# Altium PCB etna-pcb-main.PcbDoc (continued)
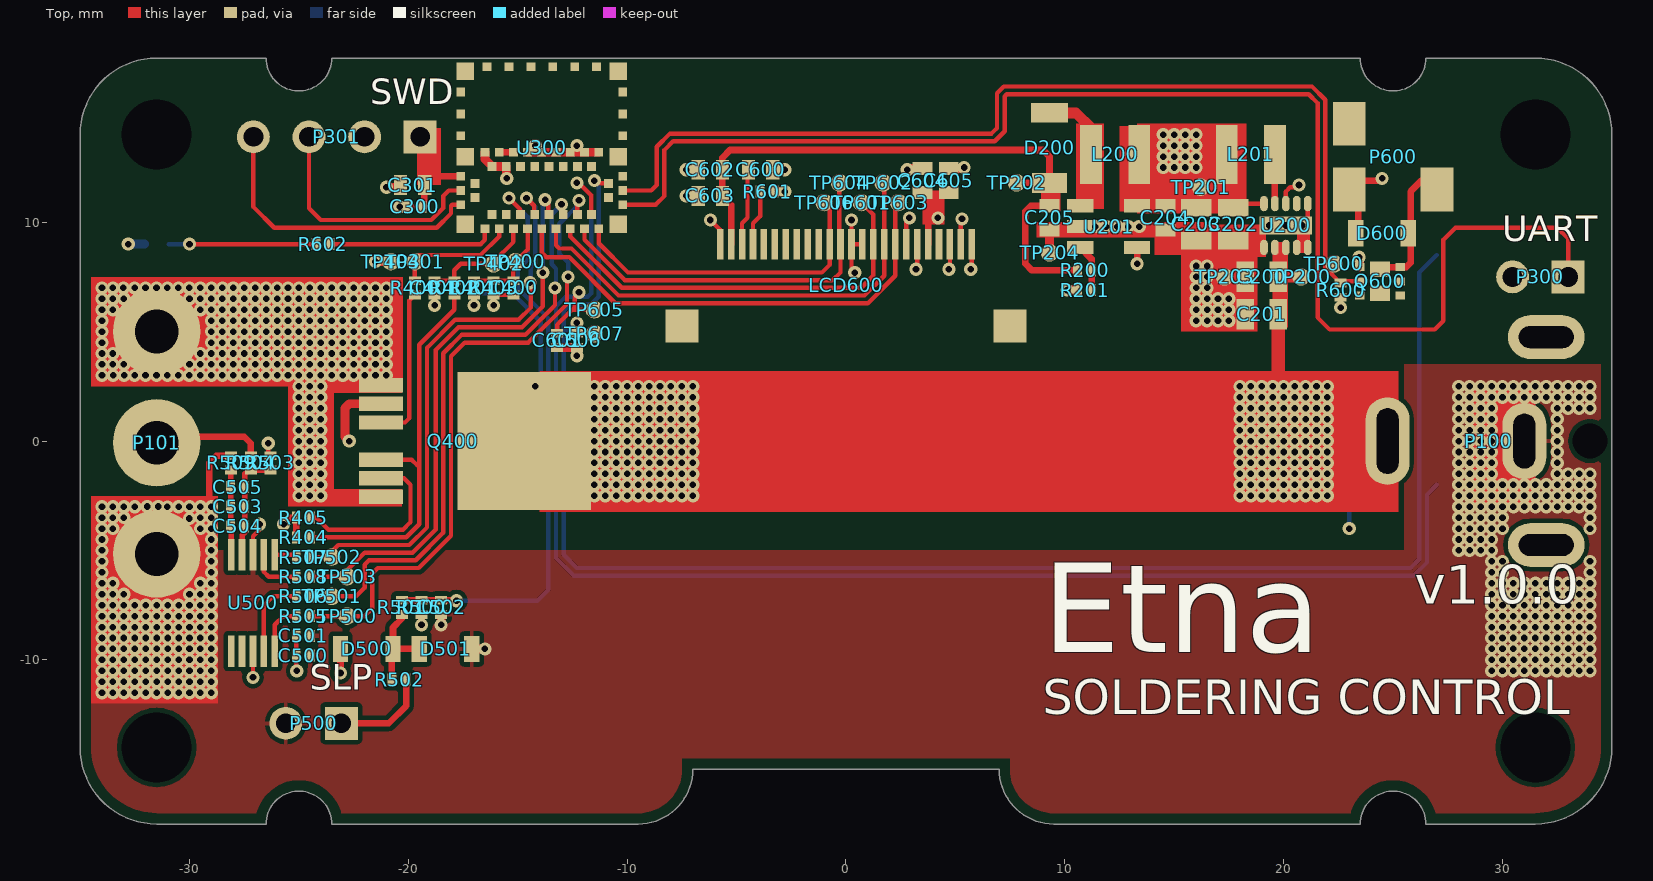
[diagram p0: Top view]
## Footprints (in the part's own frame and the unit in brackets; to place one, negate y for a bottom-side part, rotate by r counter-clockwise, add the part's x,y. Pads: shape width x height; smd on the part's side, far side on the other; paste and mask are expansions set on the pad) (continued)
  rect 0.4x0.4 smd paste-30 mask+0: 3(-3.05,2.275) 9(-2.275,0.85) 11(-1.625,0.85) 13(-0.975,0.85) 15(-0.325,0.85) 17(0.325,0.85) 19(0.975,0.85) 27(3.05,1.625) 29(3.05,2.275) 33(2.275,3.05) 35(1.625,3.05)
  body extent -4,-4 4,4, height 1
KSSG23J12 [mm] "4V Surface Mount Electromagnetic Buzzer, 75dB"
  rect 1.5x2 smd paste+0 mask+0: 1(-2,-1.5) 2(2,-1.5) ""(-2,1.5)
  body extent -2.5,-2.5 2.5,2.5, height 2.7
PJ-063AH [mm] "DC POWER JACK"
  oval 4x2 hole 1 slot 3 at 0 deg mask+0: 1(0,-9.25)
  oval 3.5x2 hole 1 slot 2.5 at 0 deg mask+0: 2(0,-3)
  oval 2x3.5 hole 1 slot 2.5 at 90 deg mask+0: ""(-4.75,-2) ""(4.75,-2)
  round 0 hole 1.6 unplated mask+0: ""(0,0)
  body extent -5.15,-10 5.15,3, height 9
SOD123-DIODE [mm] "SOD-123"
  rect 0.9x1.7 smd paste+0 mask+0: 1(-1.6,0)
  rect 0.91x1.6 smd paste+0 mask+0: 2(1.6,0)
  body extent -1.87,-0.85 1.87,0.85, height 1.2
SOD-323 [mm] "SOD-323"
  rect 0.7x1.2 smd paste+0 mask+0: 1(-1.2,0) 2(1.2,0)
  body extent -1.3,-0.67 1.3,0.68, height 1.1
SOT-235 [mm]
  rect 1.2x0.6 smd mask+0: 1(-1.3,0.95) 2(-1.3,0) 3(-1.3,-0.95) 4(1.3,-0.95) 5(1.3,0.95)
  body extent -1.6,-1.55 1.6,1.55, height 1.45
SRN3015 [mm] "SRN3015 Series - Semi-shielded Power Inductors"
  rect 2.7x1 smd mask+0: 1(0,1.1) 2(0,-1.1)
  body extent -1.36,-1.51 1.36,1.51, height 1.5
TESTPOINT [mm]
  round 0.8 smd paste-10 mask+0: 1(0,0)
U-DFN2020-6 [mm] "DUAL P-CHANNEL ENHANCEMENT MODE MOSFET"
  rect 0.9x0.7 smd mask+0: D1(0,0.55) D2(0,-0.55)
  rect 0.45x0.37 smd mask+0: D1(0.925,0.65) D2(-0.925,-0.65) G1(-0.925,0) G2(0.925,0) S1(-0.925,0.65) S2(0.925,-0.65)
  body extent -1.04,-1 1.04,1, height 0.65
VSSOP-10 [mm]
  rect 1.45x0.3 smd mask+0: 1(-2.2,1) 2(-2.2,0.5) 3(-2.2,0) 4(-2.2,-0.5) 5(-2.2,-1) 6(2.2,-1) 7(2.2,-0.5) 8(2.2,0) 9(2.2,0.5) 10(2.2,1)
  body extent -2.46,-1.5 2.46,1.5, height 1.1
WSON10 [mm]
  oval 0.7x0.35 smd mask+0: 1(-1,1) 2(-1,0.5) 3(-1,0) 4(-1,-0.5) 5(-1,-1) 6(1,-1) 7(1,-0.5) 8(1,0) 9(1,0.5) 10(1,1)
  rect 0.84x2.4 smd paste-20 mask+0: 11(0,0)
  body extent -1,-1.5 1,1.5, height 0.73
XF2M-2415-1A-REV [mm] "CONN FPC 24POS 0.50MM R/A"
  rect 0.3x1.4 smd paste+0 mask+0: 1(5.75,0) 2(5.25,0) 3(4.75,0) 4(4.25,0) 5(3.75,0) 6(3.25,0) 7(2.75,0) 8(2.25,0) 9(1.75,0) 10(1.25,0) 11(0.75,0) 12(0.25,0) 13(-0.25,0) 14(-0.75,0) 15(-1.25,0) 16(-1.75,0) 17(-2.25,0) 18(-2.75,0) 19(-3.25,0) 20(-3.75,0) 21(-4.25,0) 22(-4.75,0) 23(-5.25,0) 24(-5.75,0)
  rect 1.5x1.5 smd paste+0 mask+0: ""(-7.5,-3.75) ""(7.5,-3.75)
  body extent -8.05,-4.65 8.05,1.25, height 2

## Part data
C200 C201 C202 C203 C204 C205 C300 C301 C400 C401 C500 C501 C502 C503 C504 C505 C600 C601 C602 C603 C604 C605 C606: library part CAP, "Capacitor"
D200 D500 D501 D600: library part DIODE, "Diode", Code_JEDEC=DO-214-AB, LatestRevisionDate=17-Jul-2002, LatestRevisionNote="Re-released for DXP Platform.", PackageDescription="DO-214-AB/SMC; 2 C-Bend Leads; Body 7.9 x 5.9 mm, inc. leads (LxW)", PackageReference=SMC, PackageVersion=Sep-1996, Published=8-Jun-2000, Publisher="Altium Limited"
D601: library part LED, "LED", Code_JEDEC=DO-214-AB, LatestRevisionDate=17-Jul-2002, LatestRevisionNote="Re-released for DXP Platform.", PackageDescription="DO-214-AB/SMC; 2 C-Bend Leads; Body 7.9 x 5.9 mm, inc. leads (LxW)", PackageReference=SMC, PackageVersion=Sep-1996, Published=8-Jun-2000, Publisher="Altium Limited"
L200 L201: library part IND, "Inductor or Ferrite"
LCD600: "I2C 1.5\"OLED Display Serial 128x64 Module,SSD1309,White on Black"
P100 P300 P500 P600: library part "Header 2", "Header, 2-Pin", LatestRevisionDate=17-Jul-2002, LatestRevisionNote="Re-released for DXP Platform.", Publisher="Altium Limited"
P101: library part "Header 3", "Header, 3-Pin", LatestRevisionDate=17-Jul-2002, LatestRevisionNote="Re-released for DXP Platform.", Publisher="Altium Limited"
P301: library part "Header 4", "Header, 4-Pin", LatestRevisionDate=17-Jul-2002, LatestRevisionNote="Re-released for DXP Platform.", Publisher="Altium Limited"
Q400: "10 m? high-side driver with analog current sense  for automotive applications"
Q600: "20 V, 800 mA dual N-channel Trench MOSFET"
R200 R201 R400 R401 R402 R403 R404 R405 R500 R501 R502 R503 R504 R505 R506 R507 R508 R509 R600 R601 R602: library part RES, "Resistor"
S600 S601: library part SW-PB, "Switch", LatestRevisionDate=17-Jul-2002, LatestRevisionNote="Re-released for DXP Platform.", PackageDescription="Switch; 2 Leads", PackageReference=SPST-2, Published=24-Mar-1999, Publisher="Altium Limited"
TP200 TP201 TP202 TP203 TP204 TP400 TP401 TP402 TP403 TP500 TP501 TP502 TP503 TP600 TP601 TP602 TP603 TP604 TP605 TP606 TP607: library part TEST_POINT
U200: library part TPS62175, "TPS6217x 28-V, 0.5-A Step-Down Converter With Sleep Mode"
U201: "1.5MHz STEP-UP DC-DC CONVERTER"
U300: "High Performance Bluetooth+ANT+NFC Low Energy Module with MCU and Antenna"
U500: "ADS1118 Ultrasmall, Low-Power, SPI™-Compatible, 16-Bit  Analog-to-Digital Converter with Internal Reference and Temperature Sensor"

## Free pads (board coordinates)
  rect 0x0 hole 3.2 unplated mask+0: ""(-31.5,-14) ""(-31.5,14) ""(31.5,-14) ""(31.5,14)

## Via types
v1: diameter 0.6, hole 0.3, Top to Bottom, tented both sides, 895 vias

## Nets (pads, with @x,y where several pads share a name; then routed paths per layer and width w, separated by ;. In a path a pad name is that pad's centre, name@x,y a point inside that pad or via, vN(x,y) a via of type N, cw(c..) or ccw(c..) an arc to the next point about the centre after c; other vN are vias at no path point)
3V3: C202.2 C203.2 C204.2 C300.2 C301.2 C500.2 C501.2 C604.1 C605.1 D500.2 D600.2 L200.1 L201.2 LCD600.5 P301.1 P600.1 R500.1 R503.1 TP201.1 U200.8 U200.10 U201.4 U201.5 U300.26 U500.8 | length 17.2
  Top w0.2: v1(-27.1,-10.8) U500.8 ; R503.1@-26.4,-0.675 v1(-26.4,-0.1) ; C501.2 C500.2 -25.125,-10.475 v1(-25.1,-10.5) ; C604.1 C605.1 ; C202.2 17.9,10.85 U200.10 ; U200.8 20.1,11.4 20.2,11.5 20.204,11.5 20.304,11.6 20.7,11.6 v1(20.7,11.7)
  Top w0.3: v1(-23.1,-10.6) D500.2 ; v1@-19.4,-8.5 R500.1@-19.4,-8.125 ; C300.2@-19.275,10.7 -19.275,11.675 C301.2 ; -18.95,12.1 U300.26 ; LCD600.5 3.75,10.75 ; v1(13.3,8.1) U201.4 ; P600.1@23.1,11.9 24.4,11.9 v1(24.5,12) ; D600.2@23.4,9.6 P600.1@23.4,11.6
  other v1: -19.4,-8.4 4.2,10.2 14.5,12.5 15,12.5 15.5,12.5 16,12.5 14.5,13 15,13 15.5,13 16,13 14.5,13.5 15,13.5 15.5,13.5 16,13.5 14.5,14 15,14 15.5,14 16,14
12V: C205.2 C602.1 C603.1 D200.2 LCD600.23 R200.2 TP202.1 | length 28.1
  Top w0.3: LCD600.23 -5.25,10.8 C603.1 C602.1 -5.65,12.95 -5.3,13.3 9,13.3 9.3,13 D200.2 TP202.1 ; C205.2 8.45,10.75 8.2,10.5 8.2,8.1 8.5,7.8 R200.2
AUDIO_PWM: Q600.G1 R600.2 TP600.1 U300.4 | length 45.8
  Top w0.2: U300.4 -8.9,11.45 -8.65,11.7 -8.65,13.445 -8.045,14.05 6.65,14.05 6.9,14.3 6.9,15.895 7.205,16.2 21.295,16.2 21.9,15.595 21.9,7.925 R600.2 22.675,7.3 Q600.G1
BUT0: C601.2 S600.2 TP605.1 U300.47 | length 67.8
  Top w0.2: C601.2 -13.2,5.32 -12.52,6 ; v1(-12.3,11.8) -12.222,11.8 -11.65,11.228 -11.65,10.375 U300.47 ; v1@-12.287,6.713 -12.4,6.6 -12.4,6.12 -12.52,6 ; TP605.1 -12.52,6
  Bottom w0.2: v1(-12.3,11.8) -12.222,11.8 -11.65,11.228 -11.65,6.745 -11.795,6.6 -12.8,6.6 -13.25,6.15 -13.25,-5.345 -12.445,-6.15 25.945,-6.15 26.55,-5.545 26.55,-2.45 S600.2@27,-2
  other v1: -12.2,6.8
BUT1: C606.2 S601.2 TP607.1 U300.5 | length 74.9
  Top w0.2: v1(-12.3,5.4) C606.2 TP607.1@-11.525,4.925 ; v1(-11.5,11.9) -11.375,11.775 U300.5
  Bottom w0.2: v1(-12.3,5.4) -12.4,5.4 -12.9,4.9 ; v1(-11.5,11.9) -11.3,11.7 -11.3,6.6 -11.65,6.25 -12.6,6.25 -12.9,5.95 -12.9,4.9 ; S601.2 26.2,7.7 26.2,-5.4 25.8,-5.8 -12.3,-5.8 -12.9,-5.2 -12.9,4.9
CRADLE_IO: C502.2 R500.2 R501.1 U300.37 | length 26.9
  Top w0.2: v1(-15.4,11.1) -14.875,10.575 U300.37
  Top w0.3: R501.1 R500.2 C502.2 -17.825,-7.275 v1(-17.8,-7.3)
  Bottom w0.2: v1(-17.8,-7.3) -14.1,-7.3 -13.6,-6.8 -13.6,5.6 -14.997,6.997 -14.997,7.826 -14.55,8.273 -14.55,10.25 v1(-15.4,11.1)
DBG_SWCLK: P301.4 U300.30 | length 13.5
  Top w0.2: P301.4@-27.08,13.7 -27.08,10.7 -26.13,9.75 -18.704,9.75 -18.05,10.404 -18.05,10.75 -18,10.8 U300.30
DBG_SWDIO: P301.3 U300.28 | length 11.1
  Top w0.2: P301.3@-24.54,13.7 -24.54,10.64 -24,10.1 -18.95,10.1 -18.4,10.65 -18.4,11.2 -18.15,11.45 U300.28
GND: C200.1 C201.1 C202.1 C203.1 C204.1 C205.1 C300.1 C301.1 C400.1 C401.1 C500.1 C501.1 C502.1 C600.2 C601.1 C602.2 C603.2 C604.2 C605.2 C606.1 D501.1 D601.2 LCD600.1 LCD600.2 LCD600.3 LCD600.6 LCD600.7 LCD600.11 LCD600.12 LCD600.24 P100.2 P101.3 P300.2 P301.2 P500.2 Q400.2 Q600.S1 R201.2 R403.2 R404.2 R405.2 R509.1 R600.1 R601.1 S600.1 S601.1 TP203.1 TP204.1 TP403.1 U200.1 U200.4 U200.5 U200.6 U200.11 U201.2 U300.8 U300.10 U300.12 U300.14 U300.16 U300.18 U300.21 U300.23 U300.24 U500.3 | length 42.7
  Top w0.2: U500.3 -27.1,-4.354 -26.8,-4.054 v1(-26.8,-3.8) ; v1(-18.8,6.2) C401.1 ; v1(-16.1,6.2) R403.2 C400.1 ; v1(-6.2,10.1) -5.75,9.65 LCD600.24 ; v1@0.2,10.1 v1(0.25,10.1) LCD600.12 ; v1(0.4,7.7) 0.25,7.85 LCD600.12 ; LCD600.11@0.65,9 LCD600.12 ; LCD600.7 2.75,10.05 v1(2.9,10.2) v1@3,10.1 ; v1(3.2,7.85) 3.2,7.8 3.25,7.75 LCD600.6 ; v1(4.7,7.85) 4.7,7.8 4.75,7.75 LCD600.3 ; LCD600.2 5.25,10.25 5.3,10.2 v1(5.3,10.15) ; v1(5.7,7.85) 5.7,7.8 5.75,7.75 LCD600.1 ; TP203.1 C200.1 ; v1(22.6,6.1) R600.1
  Top w0.3: v1@-29.1,-3.1 -29.1,-1 -28.775,-0.675 R509.1@-28.3,-0.675 ; v1(-25.7,-3.8) -25.4,-3.5 R405.2 R404.2
  Top w0.4: v1(-22.7,0) -22.9,0.2 -22.9,1.5 -22.7,1.7 Q400.2 ; v1(-21.5,8.2) TP403.1 ; v1(-21,11.6) C301.1@-20.35,11.6 ; v1(-20.4,10.7) C300.1 C300.1@-19.925,10.7 ; v1(-18.5,-8.4) C502.1 ; D501.1 v1(-16.5,-9.5) ; U300.24 -16.5,12.875 U300.23 U300.21 -15.525,12.025 v1(-15.5,12) ; U300.18 U300.16 U300.14 U300.12 U300.10 U300.8 ; C601.1 C606.1 v1(-12.3,3.9) ; v1(-7.3,11.2) C603.2 ; v1(-7.3,12.4) C602.2 ; C600.2 v1(-2.8,12.4) ; R601.1 v1(-2.8,11.4) ; v1(2.8,12.4) 2.75,12.45 C604.2 ; C605.2 5.35,12.45 v1(5.4,12.5) ; TP204.1 C205.1 ; v1(10.1,6.9) R201.2 ; U201.2@10.4,9.8 v1(11.4,9.8) ; v1(23.45,8.4) 23.475,8.425 Q600.S1
  Bottom w0.2: v1(23,-4) S600.1 S600.1@23,-2
  Bottom w0.4: v1(-32.8,9) D601.2
  other v1: -34,-11.5 -33.5,-11.5 -33,-11.5 -32.5,-11.5 -32,-11.5 -31.5,-11.5 -31,-11.5 -30.5,-11.5 -30,-11.5 -29.5,-11.5 -29,-11.5 -34,-11 -33.5,-11 -33,-11 -32.5,-11 -32,-11 -31.5,-11 -31,-11 -30.5,-11 -30,-11 -29.5,-11 -29,-11 -34,-10.5 -33.5,-10.5 -33,-10.5 -32.5,-10.5 -32,-10.5 -31.5,-10.5 -31,-10.5 -30.5,-10.5 -30,-10.5 -29.5,-10.5 -29,-10.5 29.5,-10.5 30,-10.5 30.5,-10.5 31,-10.5 31.5,-10.5 32,-10.5 32.5,-10.5 33,-10.5 33.5,-10.5 34,-10.5 -34,-10 -33.5,-10 -33,-10 -32.5,-10 -32,-10 -31.5,-10 -31,-10 -30.5,-10 -30,-10 -29.5,-10 -29,-10 29.5,-10 30,-10 30.5,-10 31,-10 31.5,-10 32,-10 32.5,-10 33,-10 33.5,-10 34,-10 -34,-9.5 -33.5,-9.5 -33,-9.5 -32.5,-9.5 -32,-9.5 -31.5,-9.5 -31,-9.5 -30.5,-9.5 -30,-9.5 -29.5,-9.5 -29,-9.5 29.5,-9.5 30,-9.5 30.5,-9.5 31,-9.5 31.5,-9.5 32,-9.5 32.5,-9.5 33,-9.5 33.5,-9.5 34,-9.5 -34,-9 -33.5,-9 -33,-9 -32.5,-9 -32,-9 -31.5,-9 -31,-9 -30.5,-9 -30,-9 -29.5,-9 -29,-9 29.5,-9 30,-9 30.5,-9 31,-9 31.5,-9 32,-9 32.5,-9 33,-9 33.5,-9 34,-9 -34,-8.5 -33.5,-8.5 -33,-8.5 -32.5,-8.5 -32,-8.5 -31.5,-8.5 -31,-8.5 -30.5,-8.5 -30,-8.5 -29.5,-8.5 -29,-8.5 29.5,-8.5 30,-8.5 30.5,-8.5 31,-8.5 31.5,-8.5 32,-8.5 32.5,-8.5 33,-8.5 33.5,-8.5 34,-8.5 -34,-8 -33.5,-8 -33,-8 -32.5,-8 -32,-8 -31.5,-8 -31,-8 -30.5,-8 -30,-8 -29.5,-8 -29,-8 29.5,-8 30,-8 30.5,-8 31,-8 31.5,-8 32,-8 32.5,-8 33,-8 33.5,-8 34,-8 -34,-7.5 -33.5,-7.5 -33,-7.5 -32.5,-7.5 -32,-7.5 -31.5,-7.5 -31,-7.5 -30.5,-7.5 -30,-7.5 -29.5,-7.5 -29,-7.5 29.5,-7.5 30,-7.5 30.5,-7.5 31,-7.5 31.5,-7.5 32,-7.5 32.5,-7.5 33,-7.5 33.5,-7.5 34,-7.5 -34,-7 -33.5,-7 -33,-7 -30,-7 -29.5,-7 -29,-7 29.5,-7 30,-7 30.5,-7 31,-7 31.5,-7 32,-7 32.5,-7 33,-7 33.5,-7 34,-7 -34,-6.5 -33.5,-6.5 -29.5,-6.5 -29,-6.5 29.5,-6.5 30,-6.5 30.5,-6.5 31,-6.5 31.5,-6.5 32,-6.5 32.5,-6.5 33,-6.5 33.5,-6.5 34,-6.5 -34,-6 -29,-6 29.5,-6 30,-6 34,-6 -34,-5.5 -29,-5.5 29.5,-5.5 30,-5.5 34,-5.5 -34,-5 -29,-5 28,-5 28.5,-5 29,-5 29.5,-5 -34,-4.5 -29,-4.5 28,-4.5 28.5,-4.5 29,-4.5 29.5,-4.5 -34,-4 -33.5,-4 -29.5,-4 -29,-4 28,-4 28.5,-4 29,-4 29.5,-4 30,-4 34,-4 -30.007,-3.54 -34,-3.5 -33.5,-3.5 -33,-3.5 -29.5,-3.5 -29,-3.5 28,-3.5 28.5,-3.5 29,-3.5 29.5,-3.5 30,-3.5 34,-3.5 -31.01,-3.01 -34,-3 -33.5,-3 -33,-3 -32.5,-3 -31.931,-2.992 -31.431,-2.992 -30.5,-3 -30,-3 -29.5,-3 -29,-3 28,-3 28.5,-3 29,-3 29.5,-3 30,-3 30.5,-3 31,-3 31.5,-3 32,-3 32.5,-3 33,-3 33.5,-3 34,-3 28,-2.5 28.5,-2.5 29,-2.5 29.5,-2.5 30,-2.5 30.5,-2.5 31,-2.5 31.5,-2.5 32,-2.5 32.5,-2.5 33,-2.5 33.5,-2.5 34,-2.5 28,-2 28.5,-2 29,-2 29.5,-2 30,-2 30.5,-2 31,-2 31.5,-2 32,-2 32.5,-2 33,-2 33.5,-2 34,-2 28,-1.5 28.5,-1.5 29,-1.5 29.5,-1.5 32.5,-1.5 33,-1.5 33.5,-1.5 34,-1.5 28,-1 28.5,-1 29,-1 29.5,-1 32.5,-1 28,-0.5 28.5,-0.5 29,-0.5 29.5,-0.5 32.5,-0.5 28,0 28.5,0 29,0 29.5,0 32.5,0 28,0.5 28.5,0.5 29,0.5 29.5,0.5 32.5,0.5 28,1 28.5,1 29,1 29.5,1 32.5,1 28,1.5 28.5,1.5 29,1.5 29.5,1.5 32.5,1.5 33,1.5 33.5,1.5 34,1.5 28,2 28.5,2 29,2 29.5,2 30,2 30.5,2 31,2 31.5,2 32,2 32.5,2 33,2 33.5,2 34,2 28,2.5 28.5,2.5 29,2.5 29.5,2.5 30,2.5 30.5,2.5 31,2.5 31.5,2.5 32,2.5 32.5,2.5 33,2.5 33.5,2.5 34,2.5 16,5.5 16.5,5.5 17,5.5 17.5,5.5 16,6 16.5,6 17,6 17.5,6 16,6.5 16.5,6.5 17,6.5 17.5,6.5 16,7 16.5,7 16,7.5 16.5,7.5 16,8 16.5,8 11.9,9.8 12.4,9.8 12.9,9.8 13.4,9.8 19.35,9.85 20.1,9.85 20.85,9.85 -14.2,13.5 -12.3,13.5
HEAT_CURRENT: C401.2 R402.2 TP402.1 U300.36 | length 5.3
  Top w0.2: C401.2 R402.2 -17.9,7.8 -17.6,8.1 TP402.1 -16.1,8.2 -15.2,9.1 U300.36
HEAT_PWM: R400.2 TP401.1 U300.34 | length 5.7
  Top w0.2: R400.2 TP401.1 -19.7,8.45 -19.65,8.5 -16.7,8.5 -15.85,9.35 U300.34
HEAT_VOLTAGE: C400.2 R401.2 R403.1 TP400.1 U300.38 | length 4.4
  Top w0.2: R401.2 R403.1 C400.2 -15.2,8.1 TP400.1 -14.55,8.75 U300.38
LED0: R602.2 U300.32 | length 7.7
  Top w0.2: R602.2 -16.695,9 -16.5,9.195 U300.32
NetC600_1: C600.1 LCD600.22 | length 3.5
  Top w0.2: LCD600.22 -4.75,9.95 -4.5,10.2 -4.5,12.35 C600.1
NetD200_1: D200.1 L200.2 U201.1 | length 3.4
  Top w0.5: D200.1 10.5,15 11.2,14.3 L200.2
NetD500_1: D500.1 D501.2 R501.2 R502.1 | length 4.2
  Top w0.3: R502.1 -20.75,-9.55 D500.1 ; R501.2@-20.3,-8.125 -20.7,-8.525 D500.1 ; D501.2 D500.1
NetD600_1: D600.1 P600.2 Q600.D1 | length 6.3
  Top w0.3: Q600.D1@24.4,7.85 24.5,7.95 25.325,7.95 25.6,7.95 25.8,8.15 25.8,11.4 26.3,11.9 P600.2@27.1,11.9
NetD601_1: D601.1 R602.1 | length 6.8
  Top w0.2: v1(-30,9) -24.325,9 R602.1@-24.225,8.9
  Bottom w0.2: D601.1 v1(-30,9)
NetL201_1: L201.1 U200.9 | length 2.2
  Top w0.3: U200.9 L201.1@19.6,13
NetLCD600_21: LCD600.21 R601.2 | length 2.5
  Top w0.2: LCD600.21 -4.25,9.95 -3.925,10.275 R601.2
NetP500_1: P500.1 R502.2 | length 4.5
  Top w0.3: P500.1 -20.895,-12.9 -20.1,-12.105 R502.2
NetQ400_3: Q400.3 R400.1 | length 7.1
  Top w0.2: Q400.3 -20.15,0.85 -19.95,1.05 -19.95,6.425 R400.1
NetQ400_5: Q400.5 R402.1 R404.1 | length 18.1
  Top w0.2: R404.1 -20.1,-4.4 -19.5,-3.8 -19.5,4.4 -17.9,6 R402.1 ; Q400.5 -19.85,-0.85 -19.6,-1.1
NetQ400_6: Q400.6 R405.1 | length 8.1
  Top w0.2: R405.1 -24.2,-3.5 -23.65,-4.05 -20.245,-4.05 -19.9,-3.705 -19.9,-2 -20.2,-1.7 Q400.6
NetR200_1: R200.1 R201.1 U201.3 | length 2.2
  Top w0.3: U201.3 11.225,8.325 R200.1 R201.1
NetR505_1: R505.1 U500.10 | length 2.3
  Top w0.2: U500.10 -26.1,-8.4 -25.7,-8 R505.1
NetR506_1: R506.1 U500.9 | length 3.7
  Top w0.2: U500.9 -26.6,-7.5 -26.2,-7.1 R506.1
NetR507_1: R507.1 U500.1 | length 1
  Top w0.2: U500.1 -25.225,-5.2 R507.1
NetR508_1: R508.1 U500.2 | length 2.3
  Top w0.2: U500.2 -26.6,-5.979 -26.379,-6.2 R508.1
NetU300_20: U300.20 U300.22 | length 0.7
  Top w0.3: U300.22 U300.20
OLED_CS: LCD600.8 TP603.1 U300.40 | length 22.1
  Top w0.2: U300.40 -13.9,8.6 -13.7,8.4 -12.64,8.4 -10.54,6.3 1,6.3 2.25,7.55 LCD600.8 2.25,10.75 TP603.1
OLED_DC: LCD600.10 TP601.1 U300.44 | length 19
  Top w0.2: U300.44 -12.6,9.35 -10.25,7 0.7,7 1.25,7.55 LCD600.10 1.25,10.35 TP601.1
OLED_RST: LCD600.9 TP602.1 U300.42 | length 21.3
  Top w0.2: U300.42 -13.25,8.95 -13.1,8.8 -12.545,8.8 -10.395,6.65 0.845,6.65 1.75,7.555 LCD600.9 1.75,11.75 TP602.1
SPI0_CLK: R507.2 TP502.1 U300.39 | length 26.4
  Top w0.2: R507.2 TP502.1 -23.5,-5.05 -23.2,-4.75 -19.955,-4.75 -19.15,-3.945 -19.15,4.255 -17.855,5.55 -14.95,5.55 -14.4,6.1 -14.4,7.189 v1(-14.447,7.236) ; v1(-14.6,11.1) -14.25,10.75 -14.25,10.375 U300.39
  Bottom w0.2: v1@-14.6,11.15 v1(-14.6,11.1) -14.2,10.7 -14.2,8.128 -14.4,7.928 -14.4,7.283 -14.259,7.141 -14.353,7.236 v1(-14.447,7.236)
SPI0_MISO: R506.2 TP501.1 U300.43 | length 27
  Top w0.2: R506.2 TP501.1 -22.4,-7.1 -22,-6.7 -22,-5.65 -21.8,-5.45 -19.665,-5.45 -18.4,-4.185 -18.4,4.015 -17.565,4.85 -14.66,4.85 -13.3,6.21 v1(-13.3,7)
  Bottom w0.2: v1(-13.3,7) -13.25,7.05 -13.25,7.878 -13.45,8.078 -13.45,10.362 v1(-13,10.812)
SPI0_MOSI: R505.2 TP500.1 U300.45 | length 29.6
  Top w0.2: R505.2 TP500.1 -22,-8 -21.65,-7.65 -21.65,-6.05 -21.4,-5.8 -19.52,-5.8 -18.05,-4.33 -18.05,3.87 -17.42,4.5 -14.515,4.5 -12.75,6.265 -12.75,7.45 v1(-12.7,7.5) ; U300.45 -12.275,11.125 -12.2,11.05 v1(-12.2,11)
  Bottom w0.2: v1(-12.7,7.5) -12.7,8.173 -13.1,8.573 -13.1,9.935 -12.2,10.835 v1(-12.2,11)
SPI1_MOSI: LCD600.14 TP606.1 U300.48 | length 14.9
  Top w0.2: U300.48 -11.3,9.04 -9.96,7.7 -1.1,7.7 -0.75,8.05 LCD600.14 -0.75,10.65 TP606.1
SPI1_SCK: LCD600.13 TP604.1 U300.46 | length 17.2
  Top w0.2: U300.46 -11.95,9.195 -10.105,7.35 -0.6,7.35 -0.25,7.7 LCD600.13 -0.3,9.05 -0.3,10.1 TP604.1
THC_CSN: R508.2 TP503.1 U300.41 | length 26.8
  Top w0.2: R508.2 TP503.1 -22.8,-5.9 -22,-5.1 -19.81,-5.1 -18.75,-4.04 -18.75,4.16 -17.71,5.2 -14.805,5.2 -13.85,6.155 v1(-13.85,7.7) ; v1(-13.75,11.028) -13.75,10.95 -13.7,10.9 -13.6,11 -13.6,10.375 U300.41
  Bottom w0.2: v1(-13.85,7.7) -13.85,11.15 -13.75,11.05 v1(-13.75,11.028)
THC_N: C503.1 C504.1 C505.1 R509.2 U500.5 | length 3.9
  Top w0.25: U500.5 -28.1,-3.925 C504.1 C503.1 C505.1 -28.125,-1.35 R509.2
THC_P: C503.2 C504.2 C505.2 R503.2 R504.2 U500.4 | length 4.9
  Top w0.25: U500.4 -27.6,-4.3 -27.475,-4.175 C504.2 C503.2 C505.2 -27.475,-1.5 -27.3,-1.325 R504.2 R503.2@-26.4,-1.325
TIP_HEATER: P101.1 Q400.1 Q400.7
  other v1: -25,-2.5 -24.5,-2.5 -24,-2.5 -25,-2 -24.5,-2 -24,-2 -25,-1.5 -24.5,-1.5 -24,-1.5 -25,-1 -24.5,-1 -24,-1 -25,-0.5 -24.5,-0.5 -24,-0.5 -25,0 -24.5,0 -24,0 -25,0.5 -24.5,0.5 -24,0.5 -25,1 -24.5,1 -24,1 -25,1.5 -24.5,1.5 -24,1.5 -25,2 -24.5,2 -24,2 -25,2.5 -24.5,2.5 -24,2.5 -34,3 -33.49,3 -32.99,3 -32.51,3 -32.01,3 -31.51,3 -31.01,3 -30.51,3 -30.01,3 -29.51,3 -29,3 -28.5,3 -28,3 -27.5,3 -27,3 -26.5,3 -26,3 -25.5,3 -25,3 -24.5,3 -24,3 -23.5,3 -23,3 -22.5,3 -22,3 -21.5,3 -21,3 -34,3.5 -33.5,3.5 -33,3.5 -30,3.5 -29.5,3.5 -29,3.5 -28.5,3.5 -28,3.5 -27.5,3.5 -27,3.5 -26.5,3.5 -26,3.5 -25.5,3.5 -25,3.5 -24.5,3.5 -24,3.5 -23.5,3.5 -23,3.5 -22.5,3.5 -22,3.5 -21.5,3.5 -21,3.5 -34,4 -33.5,4 -29.5,4 -29,4 -28.5,4 -28,4 -27.5,4 -27,4 -26.5,4 -26,4 -25.5,4 -25,4 -24.5,4 -24,4 -23.5,4 -23,4 -22.5,4 -22,4 -21.5,4 -21,4 -34,4.5 -29,4.5 -28.5,4.5 -28,4.5 -27.5,4.5 -27,4.5 -26.5,4.5 -26,4.5 -25.5,4.5 -25,4.5 -24.5,4.5 -24,4.5 -23.5,4.5 -23,4.5 -22.5,4.5 -22,4.5 -21.5,4.5 -21,4.5 -34,5 -29,5 -28.5,5 -28,5 -27.5,5 -27,5 -26.5,5 -26,5 -25.5,5 -25,5 -24.5,5 -24,5 -23.5,5 -23,5 -22.5,5 -22,5 -21.5,5 -21,5 -34,5.5 -29,5.5 -28.5,5.5 -28,5.5 -27.5,5.5 -27,5.5 -26.5,5.5 -26,5.5 -25.5,5.5 -25,5.5 -24.5,5.5 -24,5.5 -23.5,5.5 -23,5.5 -22.5,5.5 -22,5.5 -21.5,5.5 -21,5.5 -34,6 -33.5,6 -29.5,6 -29,6 -28.5,6 -28,6 -27.5,6 -27,6 -26.5,6 -26,6 -25.5,6 -25,6 -24.5,6 -24,6 -23.5,6 -23,6 -22.5,6 -22,6 -21.5,6 -21,6 -34,6.5 -33.5,6.5 -33,6.5 -30,6.5 -29.5,6.5 -29,6.5 -28.5,6.5 -28,6.5 -27.5,6.5 -27,6.5 -26.5,6.5 -26,6.5 -25.5,6.5 -25,6.5 -24.5,6.5 -24,6.5 -23.5,6.5 -23,6.5 -22.5,6.5 -22,6.5 -21.5,6.5 -21,6.5 -34,7 -33.5,7 -33.02,7 -32.51,7 -32.01,7 -31.51,7 -31.01,7 -30.51,7 -30.01,7 -29.51,7 -29,7 -28.5,7 -28,7 -27.5,7 -27,7 -26.5,7 -26,7 -25.5,7 -25,7 -24.5,7 -24,7 -23.5,7 -23,7 -22.5,7 -22,7 -21.5,7 -21,7
TIP_THC: P101.2 R504.1 | length 5.1
  Top w0.3: P101.2 -31.22,0.2 -27.5,0.2 -27.2,-0.1 R504.1
UART_TXD: P300.1 U300.2 | length 63.7
  Top w0.2: U300.2 -8.7,10.8 -8.3,11.2 -8.3,13.3 -7.9,13.7 6.795,13.7 7.25,14.155 7.25,15.75 7.35,15.85 21.15,15.85 21.55,15.45 21.55,5.65 22.1,5.1 26.9,5.1 27.3,5.5 27.3,9.2 27.85,9.75 32.5,9.75 33,9.25 P300.1
VIN: C200.2 C201.2 P100.1 Q400.4 R401.1 TP200.1 U200.2 U200.3 | length 13
  Top w0.2: v1(-17,6.2) R401.1
  Top w0.5: C200.2 TP200.1
  Top w0.6: v1@19.75,1.45 C201.2
  Bottom w0.2: v1(-17,6.2) -17,6.6 -16.85,6.75 -15.872,6.75 ; -15.871,6.749 -15.244,6.749 -13.95,5.455 -13.95,2.75 v1(-14.2,2.5)
  other v1: -11.5,-2.5 -11,-2.5 -10.5,-2.5 -10,-2.5 -9.5,-2.5 -9,-2.5 -8.5,-2.5 -8,-2.5 -7.5,-2.5 -7,-2.5 18,-2.5 18.5,-2.5 19,-2.5 19.5,-2.5 20,-2.5 20.5,-2.5 21,-2.5 21.5,-2.5 22,-2.5 -11.5,-2 -11,-2 -10.5,-2 -10,-2 -9.5,-2 -9,-2 -8.5,-2 -8,-2 -7.5,-2 -7,-2 18,-2 18.5,-2 19,-2 19.5,-2 20,-2 20.5,-2 21,-2 21.5,-2 22,-2 -11.5,-1.5 -11,-1.5 -10.5,-1.5 -10,-1.5 -9.5,-1.5 -9,-1.5 -8.5,-1.5 -8,-1.5 -7.5,-1.5 -7,-1.5 18,-1.5 18.5,-1.5 19,-1.5 19.5,-1.5 20,-1.5 20.5,-1.5 21,-1.5 21.5,-1.5 22,-1.5 -11.5,-1 -11,-1 -10.5,-1 -10,-1 -9.5,-1 -9,-1 -8.5,-1 -8,-1 -7.5,-1 -7,-1 18,-1 18.5,-1 19,-1 19.5,-1 20,-1 20.5,-1 21,-1 21.5,-1 22,-1 -11.5,-0.5 -11,-0.5 -10.5,-0.5 -10,-0.5 -9.5,-0.5 -9,-0.5 -8.5,-0.5 -8,-0.5 -7.5,-0.5 -7,-0.5 18,-0.5 18.5,-0.5 19,-0.5 19.5,-0.5 20,-0.5 20.5,-0.5 21,-0.5 21.5,-0.5 22,-0.5 -11.5,0 -11,0 -10.5,0 -10,0 -9.5,0 -9,0 -8.5,0 -8,0 -7.5,0 -7,0 18,0 18.5,0 19,0 19.5,0 20,0 20.5,0 21,0 21.5,0 22,0 -11.5,0.5 -11,0.5 -10.5,0.5 -10,0.5 -9.5,0.5 -9,0.5 -8.5,0.5 -8,0.5 -7.5,0.5 -7,0.5 18,0.5 18.5,0.5 19,0.5 19.5,0.5 20,0.5 20.5,0.5 21,0.5 21.5,0.5 22,0.5 -11.5,1 -11,1 -10.5,1 -10,1 -9.5,1 -9,1 -8.5,1 -8,1 -7.5,1 -7,1 18,1 18.5,1 19,1 19.5,1 20,1 20.5,1 21,1 21.5,1 22,1 -11.5,1.5 -11,1.5 -10.5,1.5 -10,1.5 -9.5,1.5 -9,1.5 -8.5,1.5 -8,1.5 -7.5,1.5 -7,1.5 18,1.5 18.5,1.5 19,1.5 19.5,1.5 20,1.5 20.5,1.5 21,1.5 21.5,1.5 22,1.5 -11.5,2 -11,2 -10.5,2 -10,2 -9.5,2 -9,2 -8.5,2 -8,2 -7.5,2 -7,2 18,2 18.5,2 19,2 19.5,2 20,2 20.5,2 21,2 21.5,2 22,2 -11.5,2.5 -11,2.5 -10.5,2.5 -10,2.5 -9.5,2.5 -9,2.5 -8.5,2.5 -8,2.5 -7.5,2.5 -7,2.5 18,2.5 18.5,2.5 19,2.5 19.5,2.5 20,2.5 20.5,2.5 21,2.5 21.5,2.5 22,2.5
pads on no net: LCD600. LCD600.4 LCD600.15 LCD600.16 LCD600.17 LCD600.18 LCD600.19 LCD600.20 P100. P600. Q600.D2 Q600.G2 Q600.S2 S600.3 S600.4 S601.3 S601.4 U200.7 U300.1 U300.3 U300.6 U300.7 U300.9 U300.11 U300.13 U300.15 U300.17 U300.19 U300.25 U300.27 U300.29 U300.31 U300.33 U300.35 U300.49 U300.50 U300.51 U300.52 U300.53 U300.54 U300.55 U300.56 U300.57 U300.58 U300.59 U300.60 U300.61 U300.62 U500.6 U500.7

## Polygon pours and split planes (outlines as drawn)
GND on Top "GND_L01_P019" (solid, pour order 19): -34.5,-17 -20.5,-17 -9.5,-17 ccw(c-9.5,-15) -7.5,-15 -7.5,-14.5 7.5,-14.5 7.5,-15 ccw(c9.5,-15) 9.5,-17 34.5,-17 34.5,-5 34.5,3.5 25.5,3.5 25.5,-5 -20.5,-5 -34.5,-5
VIN on Power "VIN_L03_P010" (solid, pour order 10): -12.5,-3.25 25,-3.25 25,3.25 -12.5,3.25
3V3 on Power "3V3_L03_P017" (solid, pour order 17): -34.5,14 4.8,14 4.8,17 34.5,17 34.5,4 -13,4 -13,-17 -34.5,-17 -34.5,2 -26,2 -26,-3.5 -20,-3.5 -20,8 -34.5,8
GND on Ground "GND_L02_P021" (solid, remove dead copper, pour order 21): -24.5,-17 -9.5,-17 ccw(c-9.5,-15) -7.5,-15 -7.5,-14.5 7.5,-14.5 7.5,-15 ccw(c9.5,-15) 9.5,-17 34.5,-17 34.5,17 5.5,17 5.5,14 -34.5,14 -34.5,-17

## Other copper
Top:
  rectangle net GND: 14.1,8.5 16.5,10
  rectangle net 3V3: 3.5,9.9 4.5,11.35
  rectangle net 3V3: -19.6,11.7 -18.5,14.3
  rectangle net 12V: 8.9,10.5 9.8,12
  rectangle net GND: 8.7,9.3 15,10
  region net NetD200_1: 10.5,14.5 10.5,10.6 11.8,10.6 11.8,14.5
  region net 3V3: 12.5,11.4 12.5,10.5 14.8,10.5 14.8,11.4
  region net 3V3: 12.5,14.4 12.5,10.5 13.4,10.5 13.4,14.4
  region net GND: 21.2,9.9 21.2,11.1 21,11.1 21,9.9
  region net GND: 20.6,9.8 20.6,8.6 21.2,8.6 21.2,9.8
  region net 3V3: 13.3,14.5 13.3,10.4 18.3,10.4 18.3,14.5
  region net GND: 15.3,9 15.3,5 18.8,5 18.8,9
  region net GND: 15.3,9.9 15.3,8.4 19.2,8.4 19.2,9.9
  region net VIN: 19.5,9.1 19.5,5.2 20.2,5.2 20.2,9.1
  rectangle net GND: -34.5,-12 -28.7,-2.5
  rectangle net VIN: -14,-3.25 25.25,3.2
  rectangle net GND: 28.5,-3 31.5,2.5
  rectangle net TIP_HEATER: -24.5,2.2 -20.3,4
  rectangle net TIP_HEATER: -24.5,-3 -20.3,-2.2
  rectangle net TIP_HEATER: -25.5,-3 -23.4,4
  rectangle net TIP_HEATER: -34.5,2.5 -20.25,7.5
Power:
  rectangle net VIN: 22.5,-3.25 25,3.25
  rectangle net TIP_HEATER: -25.5,-3 -23.4,4
  rectangle net TIP_HEATER: -34.5,2.5 -20.5,7.5
Multi-Layer:
  pour cut-out: 31.5,-17 34.5,-17 34.5,-14 cw(c31.5,-14)
  pour cut-out: 31.5,17 34.5,17 34.5,14 ccw(c31.5,14)
  pour cut-out: -34.5,14 cw(c-31.5,14) -31.5,17 -34.5,17
  pour cut-out: -34.5,-14 ccw(c-31.5,-14) -31.5,-17 -34.5,-17
  pour cut-out: -27,-17.5 cw(c-25,-17.5) -23,-17.5
  pour cut-out: -27,17.5 ccw(c-25,17.5) -23,17.5
  pour cut-out: 23,17.5 ccw(c25,17.5) 27,17.5
  pour cut-out: 23,-17.5 cw(c25,-17.5) 27,-17.5

## Silkscreen, mask and mechanical layers (free items; w line width, h text height)
Top Overlay:
  text "SWD" at -21.75,15 h2
  text "UART" at 30,8.75 h2
  text "v1.0.0" at 26,-8 h3
  text "Etna" at 9,-11 h7
  text "SLP" at -24.5,-11.75 h2
  text "SOLDERING CONTROL" at 9,-13 h2.7
Board:
  the board outline again, w0.1
Mechanical 15:
  circle w0.1: c31.5,-14 r3
  circle w0.1: c31.5,14 r3
  circle w0.1: c-31.5,-14 r3
  circle w0.1: c-31.5,14 r3